# Altium PCB v1.0.PcbDoc (part 1 of 2)
Units mil, origin at the board's own origin, x right, y up, seen from the top; angles counter-clockwise.
Board outline 5485 x 3895 mil, 2 copper layers (Top Layer, Bottom Layer); 197 components, 204 nets, 799 pads, 233 vias.
Unrouted connection lines stored in the file: 46.
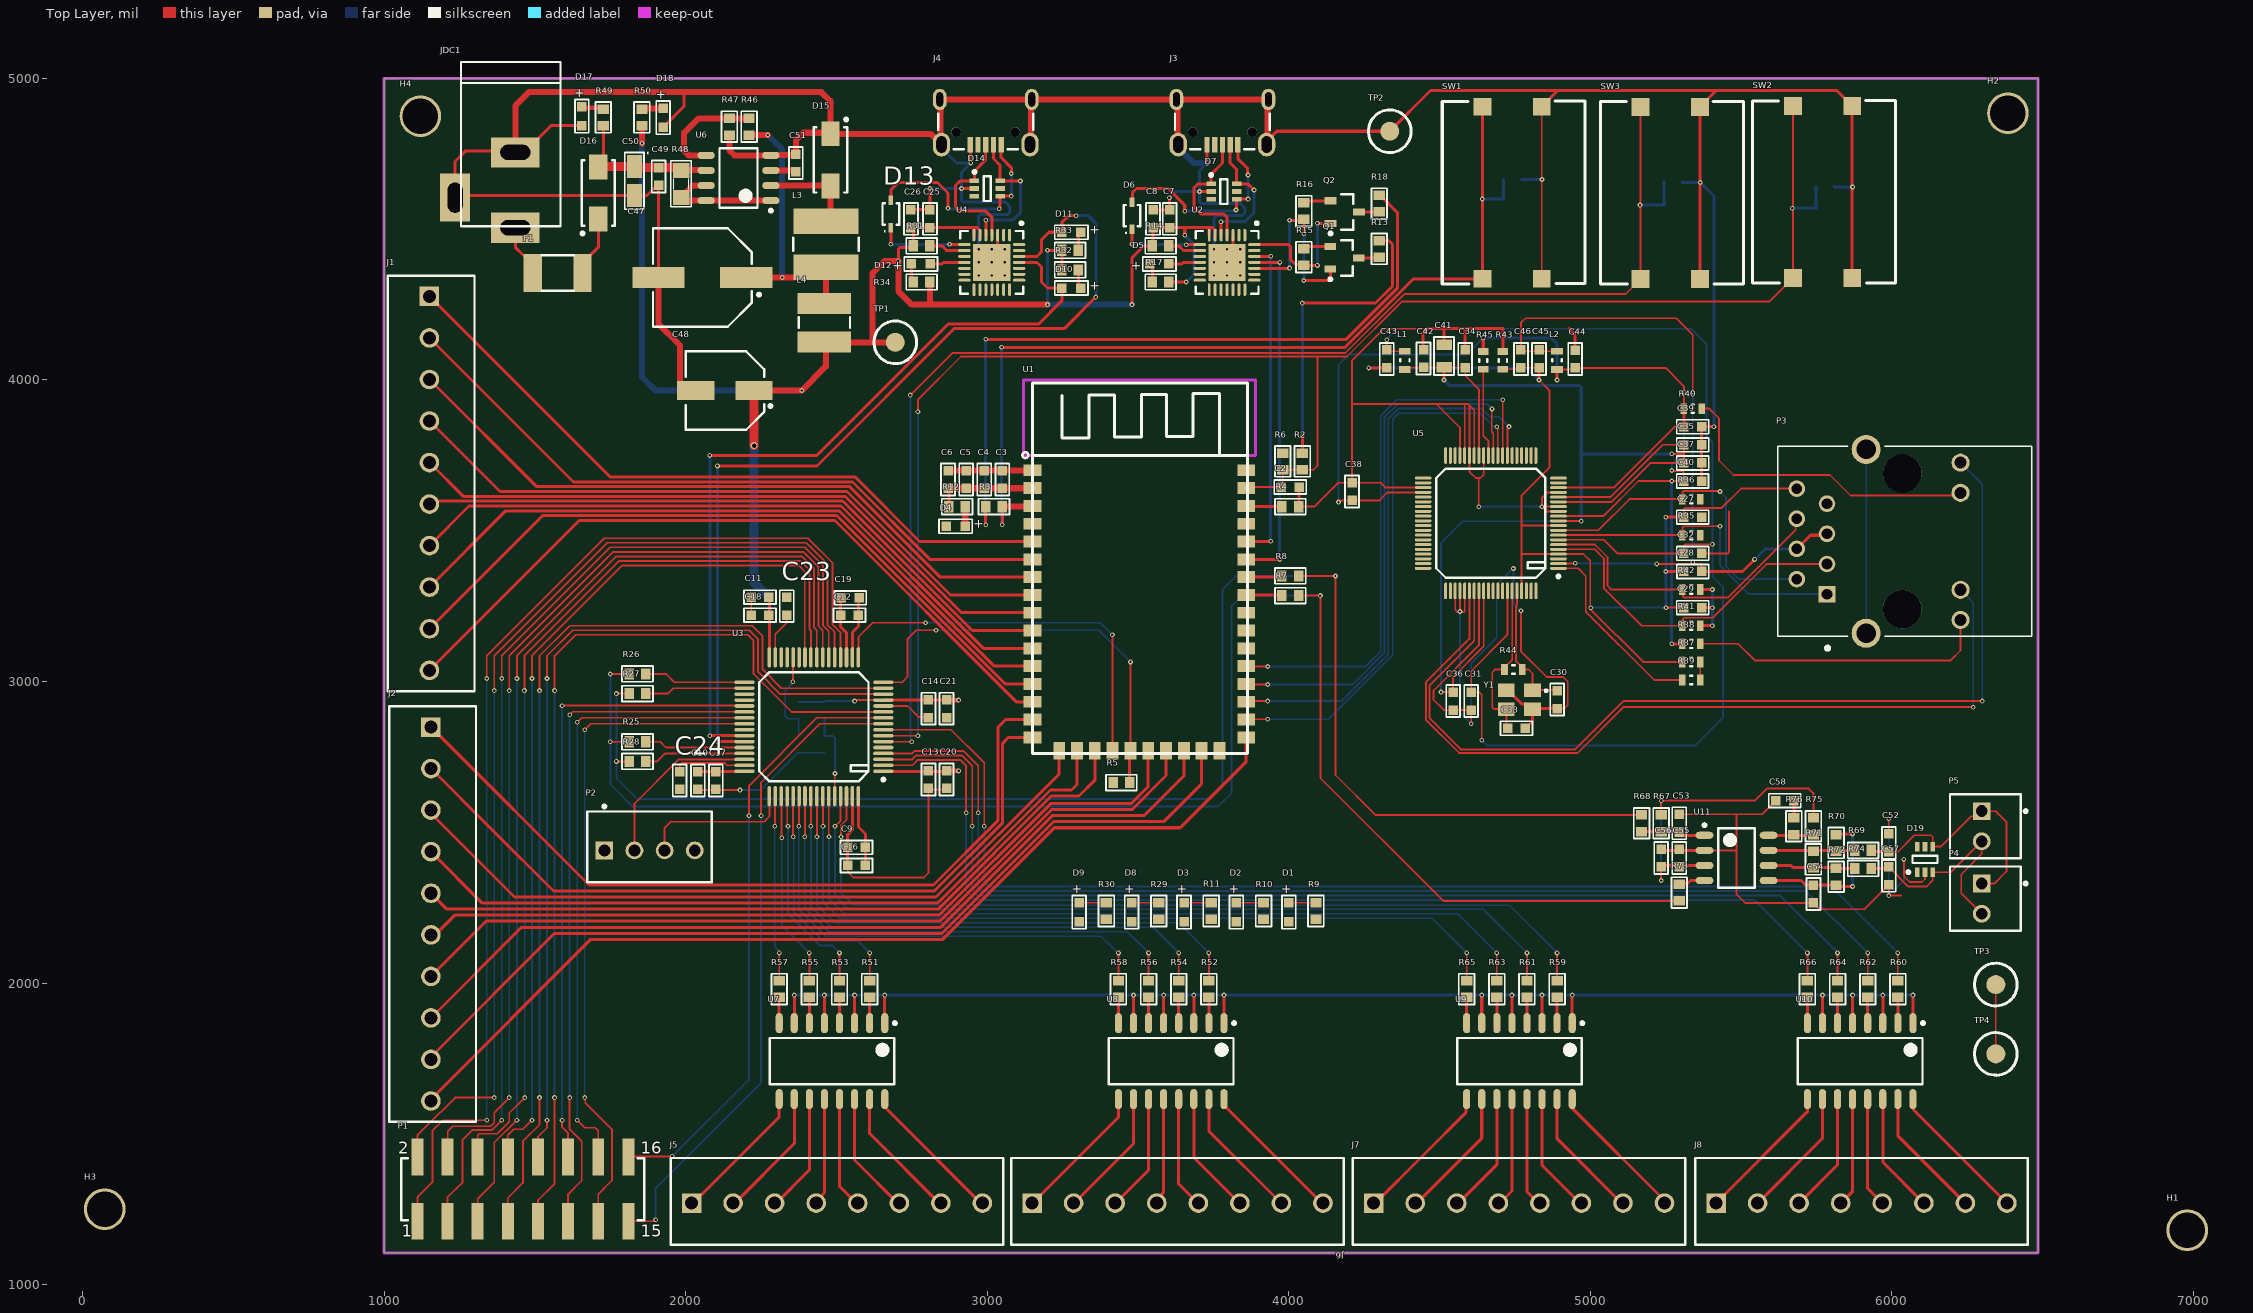
[diagram p0: Top Layer view]
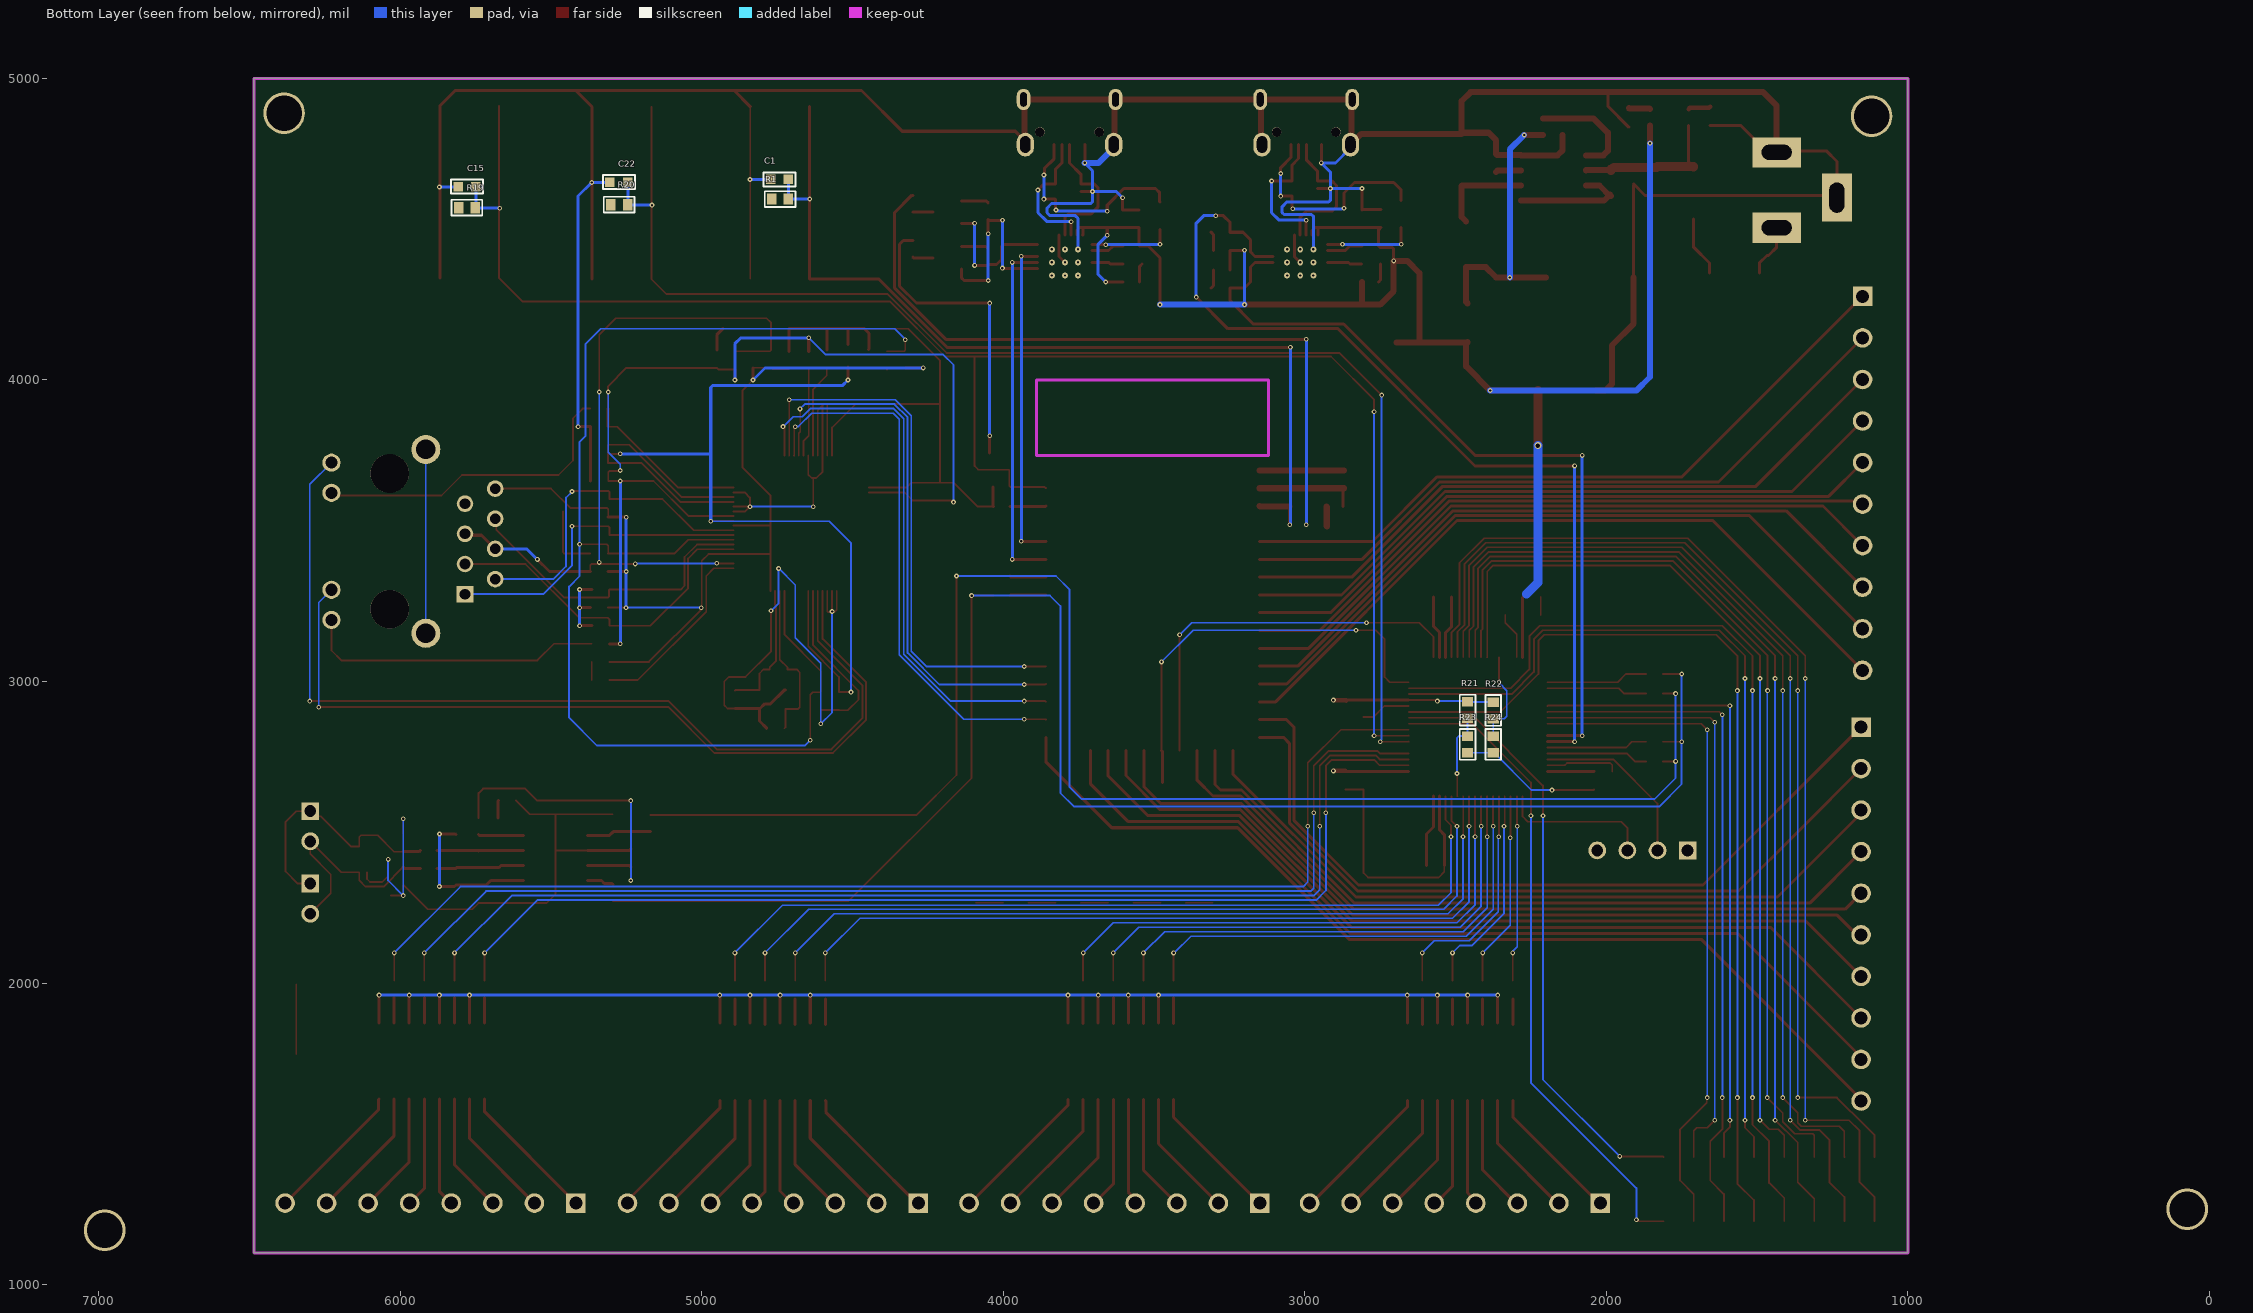
[diagram p1: Bottom Layer view, seen from below]
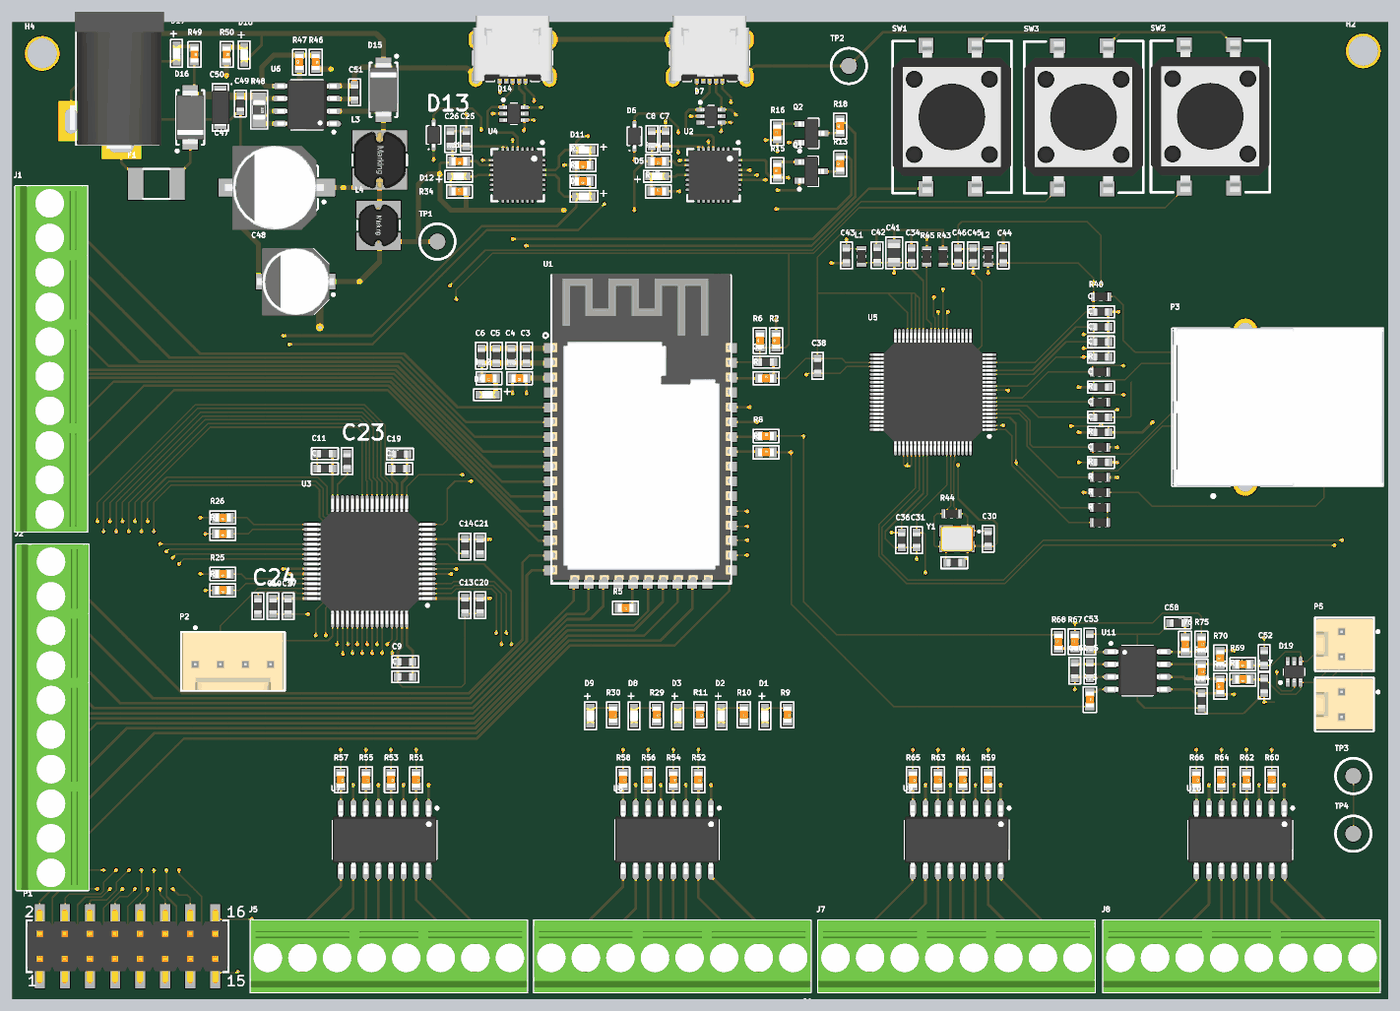
[diagram p3: 3D render of the assembled board from above, using the file's embedded part models]
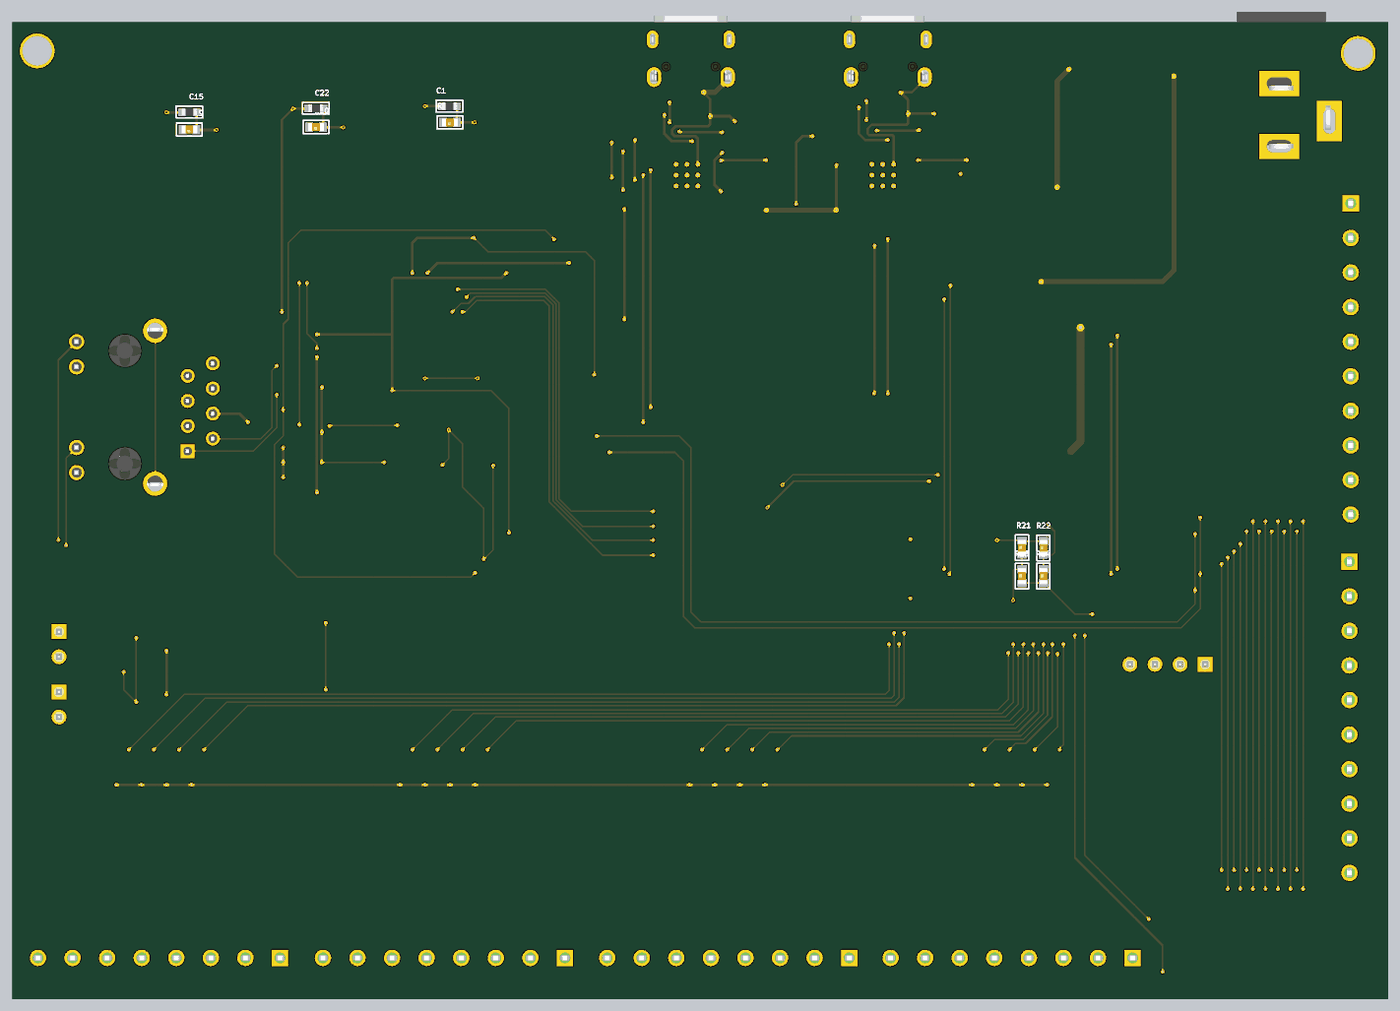
[diagram p4: 3D render of the assembled board from below, using the file's embedded part models]

## Layer stack, top to bottom
Top Solder: solder mask 0.4, Solder Resist, Dk 3.5
Top Layer: signal copper 1.4
Dielectric 1: dielectric 12.6, FR-4, Dk 4.8
Bottom Layer: signal copper 1.4
Bottom Solder: solder mask 0.4, Solder Resist, Dk 3.5

## Board outline
1000,1105 6485,1105 6485,5000 1000,5000

## Design rules (kind name [scope] priority, off if disabled: settings)
Clearance [All] p1: gap=6 ignorepadtopadclearanceinfootprint=TRUE
PolygonConnect [All] p1: thpad.connectstyle=Relief thpad.reliefconductorwidth=10 thpad.reliefentries=4 thpad.polygonreliefangle="90 Angle" thpad.airgapwidth=10 smdpad.connectstyle=Relief smdpad.reliefconductorwidth=10 smdpad.reliefentries=4 smdpad.polygonreliefangle="90 Angle" smdpad.airgapwidth=10 via.connectstyle=Direct via.reliefconductorwidth=10 via.reliefentries=4 via.polygonreliefangle="90 Angle" via.airgapwidth=10
RoutingVias [All] p1: holewidth=7.87 width=15.75 viastyle="Through Hole" minholewidth=7.87 minwidth=15.75 maxholewidth=19.68 maxwidth=23.62
SolderMaskExpansion [All] p1: expansion=4 istentingtop=FALSE
Width [All] p1: maxlimit=30 minlimit=6 preferedwidth=10
30 further rules are at their usual default settings.

## Classes and differential pairs
component class 10_CAN_Interface: C52 C53 C54 C55 C56 C57 C58 D19 P4 P5 R67 R68 R69 R70 R71 R72 R73 R74 R75 R76 U11
component class 09_IO_Isolated_Interface: J5 J6 J7 J8 R51 R52 R53 R54 R55 R56 R57 R58 R59 R60 R61 R62 R63 R64 R65 R66 U7 U8 U9 U10
component class 08_Power_Supply: C47 C48 C49 C50 C51 D15 D16 D17 D18 F1 H1 H2 H3 H4 JDC1 L3 L4 R46 R47 R48 R49 R50 TP1 TP2 TP3 TP4 U6
component class 07_Ethernet_Interface: C27 C28 C29 C30 C31 C32 C33 C34 C35 C36 C37 C38 C39 C40 C41 C42 C43 C44 C45 C46 L1 L2 P3 R35 R36 R37 R38 R39 R40 R41 R42 R43 R44 R45 U5 Y1
component class 06_STM43F4_UART: C25 C26 D10 D11 D12 D13 D14 J4 R31 R32 R33 R34 U4
component class 05_MCU_STM32F4_Interface: C9 C10 C11 C12 C13 C14 C15 C16 C17 C18 C19 C20 C21 C22 C23 C24 D8 D9 P1 P2 R19 R20 R21 R22 R23 R24 R25 R26 R27 R28 R29 R30 SW2 SW3 U3
component class 04_ESP32_UART: C7 C8 D5 D6 D7 J3 Q1 Q2 R13 R14 R15 R16 R17 R18 U2
component class 03_MCU_ESP32_Interface: C1 C2 C3 C4 C5 C6 D1 D2 D3 D4 J1 J2 R1 R2 R3 R4 R5 R6 R7 R8 R9 R10 R11 R12 SW1 U1

## Components (designator, comment, footprint, x,y, rotation, side; value= is the part's Value field where it differs from the comment)
C1 "100nF, 50V" WCAP-CSGP_0603_H=0.8mm_Reflow 4741.92,4665 r180 bottom
C2 "1uF, 16V" WCAP-CSGP_0603_H=0.8mm_Reflow 4005,3645 r180 top
C3 "10uF, 50V" WCAP-CSGP_0603_H=0.8mm_Reflow 3050,3670 r270 top
C4 "1uF, 50V" WCAP-CSGP_0603_H=0.8mm_Reflow 2990,3670 r270 top
C5 "100nF, 50V" WCAP-CSGP_0603_H=0.8mm_Reflow 2930,3670 r270 top
C6 "10nF, 50V" WCAP-CSGP_0603_H=0.8mm_Reflow 2870,3670 r270 top
C7 "10uF, 6.3V" WCAP-CSGP_0603_H=0.8mm_Reflow 3605,4534.53 r270 top
C8 "100nF, 10V" WCAP-CSGP_0603_H=0.8mm_Reflow 3550,4534.53 r270 top
C9 "100nF, 50V" WCAP-CSGP_0603_H=0.8mm_Reflow 2566.54,2450 r0 top
C10 "100nF, 50V" WCAP-CSGP_0603_H=0.8mm_Reflow 2040,2671.54 r90 top
C11 "100nF, 50V" WCAP-CSGP_0603_H=0.8mm_Reflow 2246.54,3280 r0 top
C12 "100nF, 50V" WCAP-CSGP_0603_H=0.8mm_Reflow 2543.46,3220 r180 top
C13 "100nF, 50V" WCAP-CSGP_0603_H=0.8mm_Reflow 2805,2675 r90 top
C14 "100nF, 50V" WCAP-CSGP_0603_H=0.8mm_Reflow 2805,2910 r90 top
C15 "100nF, 50V" WCAP-CSGP_0603_H=0.8mm_Reflow 5778.64,4641.51 r180 bottom
C16 "10nF, 50V" WCAP-CSGP_0603_H=0.8mm_Reflow 2566.54,2390 r0 top
C17 "10nF, 50V" WCAP-CSGP_0603_H=0.8mm_Reflow 2100,2671.54 r90 top
C18 "10nF, 50V" WCAP-CSGP_0603_H=0.8mm_Reflow 2246.54,3220 r0 top
C19 "10nF, 50V" WCAP-CSGP_0603_H=0.8mm_Reflow 2545.9,3277.68 r180 top
C20 "10nF, 50V" WCAP-CSGP_0603_H=0.8mm_Reflow 2865,2675 r90 top
C21 "10nF, 50V" WCAP-CSGP_0603_H=0.8mm_Reflow 2865,2910 r90 top
C22 "100nF, 50V" WCAP-CSGP_0603_H=0.8mm_Reflow 5274.64,4656.51 r180 bottom
C23 "100nF, 50V" WCAP-CSGP_0603_H=0.8mm_Reflow 2335,3250 r270 top
C24 "100nF, 50V" WCAP-CSGP_0603_H=0.8mm_Reflow 1980,2671.54 r90 top
C25 "10uF, 6.3V" WCAP-CSGP_0603_H=0.8mm_Reflow 2810,4534.53 r270 top
C26 "100nF, 10V" WCAP-CSGP_0603_H=0.8mm_Reflow 2747,4534.53 r270 top
C27 "100nF, 16V" WCAP-CSGP_0603_H=0.8mm_Reflow 5340,3545 r180 top
C28 "100nF, 16V" WCAP-CSGP_0603_H=0.8mm_Reflow 5340,3365 r0 top
C29 "100nF, 16V" WCAP-CSGP_0603_H=0.8mm_Reflow 5340,3245 r180 top
C30 "22pF, 50V" WCAP-CSGP_0603_H=0.8mm_Reflow 4890,2940 r90 top
C31 "100nF, 16V" WCAP-CSGP_0603_H=0.8mm_Reflow 4605,2935 r90 top
C32 "100nF, 16V" WCAP-CSGP_0603_H=0.8mm_Reflow 5340,3425 r180 top
C33 "22pF, 50V" WCAP-CSGP_0603_H=0.8mm_Reflow 4755,2845 r180 top
C34 "100nF, 16V" WCAP-CSGP_0603_H=0.8mm_Reflow 4585,4070 r270 top
C35 "100nF, 16V" WCAP-CSGP_0603_H=0.8mm_Reflow 5340,3785 r180 top
C36 "100nF, 16V" WCAP-CSGP_0603_H=0.8mm_Reflow 4545,2935 r90 top
C37 "100nF, 16V" WCAP-CSGP_0603_H=0.8mm_Reflow 5340,3725 r180 top
C38 "100nF, 16V" WCAP-CSGP_0603_H=0.8mm_Reflow 4210,3630 r270 top
C39 "100nF, 16V" WCAP-CSGP_0603_H=0.8mm_Reflow 5340,3845 r180 top
C40 "100nF, 16V" WCAP-CSGP_0603_H=0.8mm_Reflow 5339.53,3665 r180 top
C41 "3.3uF, 25V" WCAP-CSGP_0805_H=1.25mm 4515,4080 r270 top
C42 "10uF, 6.3V" WCAP-CSGP_0603_H=0.8mm_Reflow 4447,4071 r270 top
C43 "10uF, 6.3V" WCAP-CSGP_0603_H=0.8mm_Reflow 4325,4070 r90 top
C44 "10uF, 6.3V" WCAP-CSGP_0603_H=0.8mm_Reflow 4950,4069.53 r270 top
C45 "10uF, 6.3V" WCAP-CSGP_0603_H=0.8mm_Reflow 4830,4070 r90 top
C46 "10nF, 16V" WCAP-CSGP_0603_H=0.8mm_Reflow 4770,4070 r90 top
C47 "Cap Pol SMD" "CAP ALU SIZE F" 2055,4340 r180 top value=470uF
C48 "Cap Pol SMD" "CAP ALU SIZE D" 2130,3965 r180 top value=100uF
C49 "100nF, 25V" WCAP-CSGP_0603_H=0.8mm_Reflow 1910,4675 r90 top
C50 "Tantalum Capacitor" CAPMP3216X18N 1830,4660 r270 top value=4.7uF
C51 "470pF, 16V" WCAP-CSGP_0603_H=0.8mm_Reflow 2365,4719.53 r90 top
C52 "100nF, 25V" WCAP-CSGP_0603_H=0.8mm_Reflow 5990,2465 r90 top
C53 "100nF, 25V" WCAP-CSGP_0603_H=0.8mm_Reflow 5295,2530 r270 top
C54 "100nF, 25V" WCAP-CSGP_0603_H=0.8mm_Reflow 5740,2295 r90 top
C55 "100nF, 25V" WCAP-CSGP_0603_H=0.8mm_Reflow 5295,2415 r90 top
C56 "10nF, 50V" WCAP-CSGP_0603_H=0.8mm_Reflow 5235,2415 r90 top
C57 "100nF, 25V" WCAP-CSGP_0603_H=0.8mm_Reflow 5990,2355.47 r90 top
C58 "10nF, 50V" WCAP-CSGP_0603_H=0.8mm_Reflow 5645,2605 r0 top
D1 "Green, 3.2V" WL-SMCW_0603_H=0.7mm 4000.11,2235 r90 top
D2 "Green, 3.2V" WL-SMCW_0603_H=0.7mm 3826.33,2235 r90 top
D3 "Green, 3.2V" WL-SMCW_0603_H=0.7mm 3652.56,2235 r90 top
D4 "Red, 2V" WL-SMCW_0603_H=0.7mm 2895,3515 r0 top
D5 "Amber, 2V" WL-SMCW_0603_H=0.7mm 3571,4385 r180 top
D6 "1N4148WS" SODFL250X90-2N 3480,4545 r90 top
D7 "SMF05C" SOT65P210X110-6N 3785,4625 r0 top
D8 "Red, 2V" WL-SMCW_0603_H=0.7mm 3478.78,2235 r90 top
D9 "Green, 3.2V" WL-SMCW_0603_H=0.7mm 3305,2235 r90 top
D10 "Amber, 2V" WL-SMCW_0603_H=0.7mm 3279,4305 r0 top
D11 "Amber, 2V" WL-SMCW_0603_H=0.7mm 3279,4490 r0 top
D12 "Amber, 2V" WL-SMCW_0603_H=0.7mm 2780,4385 r180 top
D13 "1N4148WS" SODFL250X90-2N 2680,4550.28 r90 top
D14 "SMF05C" SOT65P210X110-6N 3000,4635 r0 top
D15 "D Schottky" SS34 2480,4730 r270 top
D16 "D Schottky" SS34 1710,4620 r90 top
D17 "Red, 2V" WL-SMCW_0603_H=0.7mm 1655.35,4875 r90 top
D18 "Red, 2V" WL-SMCW_0603_H=0.7mm 1925,4870 r90 top
D19 "SMF05C" SOT65P210X110-6N 6110,2410 r90 top
F1 "Fuse" "FUSE SMD" 1575,4355 r0 top
H1 "Hole" "LO KHOAN 3MM" 6980,1180 r0 top
H2 "Hole" "LO KHOAN 3MM" 6385,4885 r0 top
H3 "Hole" "LO KHOAN 3MM" 73,1250 r0 top
H4 "Hole" "LO KHOAN 3MM" 1120,4875 r0 top
J1 "691243110010" 691243110010 1155.91,3657.28 r270 top
J2 "691243110010" 691243110010 1160.91,2228.9 r270 top
J3 "629105150521" 629105150521 3780,4895 r180 top
J4 "629105150521" 629105150521 2995,4895 r180 top
J5 "691243110008" 691243110008 2501.69,1275.91 r0 top
J6 "691243110008" 691243110008 3631.1,1275.91 r0 top
J7 "691243110008" 691243110008 4763.9,1275.91 r0 top
J8 "691243110008" 691243110008 5899.49,1275.91 r0 top
JDC1 "Jack DC" DC-IN 1335,4630 r270 top value="Jac DC"
L1 "Inductor" I0603 4385,4065.32 r90 top value="1uH, 300mA"
L2 "Inductor" I0603 4890,4065.32 r90 top value="1uH, 300mA"
L3 "220uH, 1.75A" WE-PD2A_5848 2465,4450 r270 top
L4 "1uH, 4A" WE-PD2A_4532 2460,4190 r270 top
P1 "61031621121" 61031621121 1460,1316.3 r0 top
P2 "61900411121" 61900411121 1880,2451.81 r180 top
P3 "HANRUN_HR911105A" HANRUN_HR911105A 6035,3465 r270 top
P4 "61900211121" 61900211121 6310,2280 r90 top
P5 "61900211121" 61900211121 6310,2520 r90 top
Q1 "MMBT3904 (NPN)" SOT95P245X110-3N 4185,4405 r0 top
Q2 "MMBT3904 (NPN)" SOT95P245X110-3N 4185.93,4557.01 r0 top
R1 "RESISTOR SMD" RES-SM-0603 4740,4600 r0 bottom value=1K
R2 "RESISTOR SMD" RES-SM-0603 4045,3730 r90 top value=0
R3 "RESISTOR SMD" RES-SM-0603 3022.44,3580 r180 top value=0
R4 "RESISTOR SMD" RES-SM-0603 4005,3580 r0 top value=0
R5 "RESISTOR SMD" RES-SM-0603 3445,2665 r180 top value=10K
R6 "RESISTOR SMD" RES-SM-0603 3980,3730 r90 top value=10K
R7 "RESISTOR SMD" RES-SM-0603 4005,3285 r0 top value=NC
R8 "RESISTOR SMD" RES-SM-0603 4005,3350 r0 top value=NC
R9 "RESISTOR SMD" RES-SM-0603 4090,2239 r270 top value=330
R10 "RESISTOR SMD" RES-SM-0603 3916.22,2239 r270 top value=330
R11 "RESISTOR SMD" RES-SM-0603 3742.44,2239 r270 top value=330
R12 "RESISTOR SMD" RES-SM-0603 2900,3580 r180 top value=330
R13 "RESISTOR SMD" RES-SM-0603 4300,4435 r90 top value=0
R14 "RESISTOR SMD" RES-SM-0603 3575,4445 r180 top value=4.7K
R15 "RESISTOR SMD" RES-SM-0603 4050,4407.56 r90 top value=10K
R16 "RESISTOR SMD" RES-SM-0603 4050,4560 r90 top value=10K
R17 "RESISTOR SMD" RES-SM-0603 3575,4325 r0 top value=330
R18 "RESISTOR SMD" RES-SM-0603 4300,4585 r90 top value=0
R19 "RESISTOR SMD" RES-SM-0603 5778.64,4571.51 r0 bottom value=1K
R20 "RESISTOR SMD" RES-SM-0603 5273.64,4581.51 r0 bottom value=1K
R21 "RESISTOR SMD" RES-SM-0603 2460,2905 r90 bottom value=NC
R22 "RESISTOR SMD" RES-SM-0603 2375,2904.09 r90 bottom value=NC
R23 "RESISTOR SMD" RES-SM-0603 2460,2791.54 r90 bottom value=10K
R24 "RESISTOR SMD" RES-SM-0603 2375,2791.54 r90 bottom value=10K
R25 "RESISTOR SMD" RES-SM-0603 1840,2800 r180 top value=NC
R26 "RESISTOR SMD" RES-SM-0603 1840,3025 r180 top value=NC
R27 "RESISTOR SMD" RES-SM-0603 1840,2960 r180 top value=NC
R28 "RESISTOR SMD" RES-SM-0603 1840,2735 r180 top value=NC
R29 "RESISTOR SMD" RES-SM-0603 3568.67,2239 r270 top value=330
R30 "RESISTOR SMD" RES-SM-0603 3394.89,2239 r270 top value=330
R31 "RESISTOR SMD" RES-SM-0603 2782.56,4445 r180 top value=4.7K
R32 "RESISTOR SMD" RES-SM-0603 3275,4365 r180 top value=330
R33 "RESISTOR SMD" RES-SM-0603 3275,4430 r180 top value=330
R34 "RESISTOR SMD" RES-SM-0603 2782.44,4325 r0 top value=330
R35 "Resistor" R0603 5335,3485 r0 top value=49.9
R36 "Resistor" R0603 5335,3605 r0 top value=49.9
R37 "Resistor" R0603 5335,3065 r180 top value=300
R38 "Resistor" R0603 5335,3125 r180 top value=300
R39 "Resistor" R0603 5335,3005 r0 top value=12K
R40 "Resistor" R0603 5340,3905 r180 top value=300
R41 "Resistor" R0603 5335,3185 r0 top value=49.9
R42 "Resistor" R0603 5335,3305 r0 top value=49.9
R43 "Resistor" R0603 4710,4065 r90 top value=0
R44 "Resistor" R0603 4745,3040 r0 top value=1M
R45 "Resistor" R0603 4645,4065 r270 top value=4.7K
R46 "RESISTOR SMD" RES-SM-0603 2210,4840 r270 top value=4.2K
R47 "RESISTOR SMD" RES-SM-0603 2145,4840 r90 top value=2.5K
R48 "RESISTOR SMD" RES-SM-0805 1985,4650 r270 top value=0.33
R49 "RESISTOR SMD" RES-SM-0603 1726.57,4871 r270 top value=1200
R50 "RESISTOR SMD" RES-SM-0603 1854.78,4871 r270 top value=330
R51 "RESISTOR SMD" RES-SM-0603 2610,1980 r270 top value=1K
R52 "RESISTOR SMD" RES-SM-0603 3735,1980 r270 top value=1K
R53 "RESISTOR SMD" RES-SM-0603 2510,1980 r270 top value=1K
R54 "RESISTOR SMD" RES-SM-0603 3635,1980 r270 top value=1K
R55 "RESISTOR SMD" RES-SM-0603 2410,1980 r270 top value=1K
R56 "RESISTOR SMD" RES-SM-0603 3535,1980 r270 top value=1K
R57 "RESISTOR SMD" RES-SM-0603 2310,1980 r270 top value=1K
R58 "RESISTOR SMD" RES-SM-0603 3435,1980 r270 top value=1K
R59 "RESISTOR SMD" RES-SM-0603 4890,1980 r270 top value=1K
R60 "RESISTOR SMD" RES-SM-0603 6020,1980 r270 top value=1K
R61 "RESISTOR SMD" RES-SM-0603 4790,1980 r270 top value=1K
R62 "RESISTOR SMD" RES-SM-0603 5920,1980 r270 top value=1K
R63 "RESISTOR SMD" RES-SM-0603 4690,1980 r270 top value=1K
R64 "RESISTOR SMD" RES-SM-0603 5820,1980 r270 top value=1K
R65 "RESISTOR SMD" RES-SM-0603 4590,1980 r270 top value=1K
R66 "RESISTOR SMD" RES-SM-0603 5720,1980 r270 top value=1K
R67 "RESISTOR SMD" RES-SM-0603 5235,2530 r90 top value=10K
R68 "RESISTOR SMD" RES-SM-0603 5170,2530 r90 top value=10K
R69 "RESISTOR SMD" RES-SM-0603 5905,2440 r180 top value=0
R70 "RESISTOR SMD" RES-SM-0603 5815,2465 r90 top value=60.4
R71 "RESISTOR SMD" RES-SM-0603 5740,2410 r270 top value=NC
R72 "RESISTOR SMD" RES-SM-0603 5815,2352.44 r90 top value=60.4
R73 "RESISTOR SMD" RES-SM-0603 5295,2300 r270 top value=10K
R74 "RESISTOR SMD" RES-SM-0603 5905,2380 r180 top value=0